# Altium PCB PCB1_done2.PcbDoc (part 1 of 3)
Units mil, origin at the board's own origin, x right, y up, seen from the top; angles counter-clockwise.
Board outline 3550 x 3775.2 mil, 8 copper layers (Top Layer, Top Signal Layer, Vbat-chrg, Internal Plane 1, GND-nBat, Internal Plane 2, Bottom Signal Layer, Bottom Layer), stack 71.302 mil thick; 235 components, 254 nets, 1011 pads, 192 vias.
Unrouted connection lines stored in the file: 5.
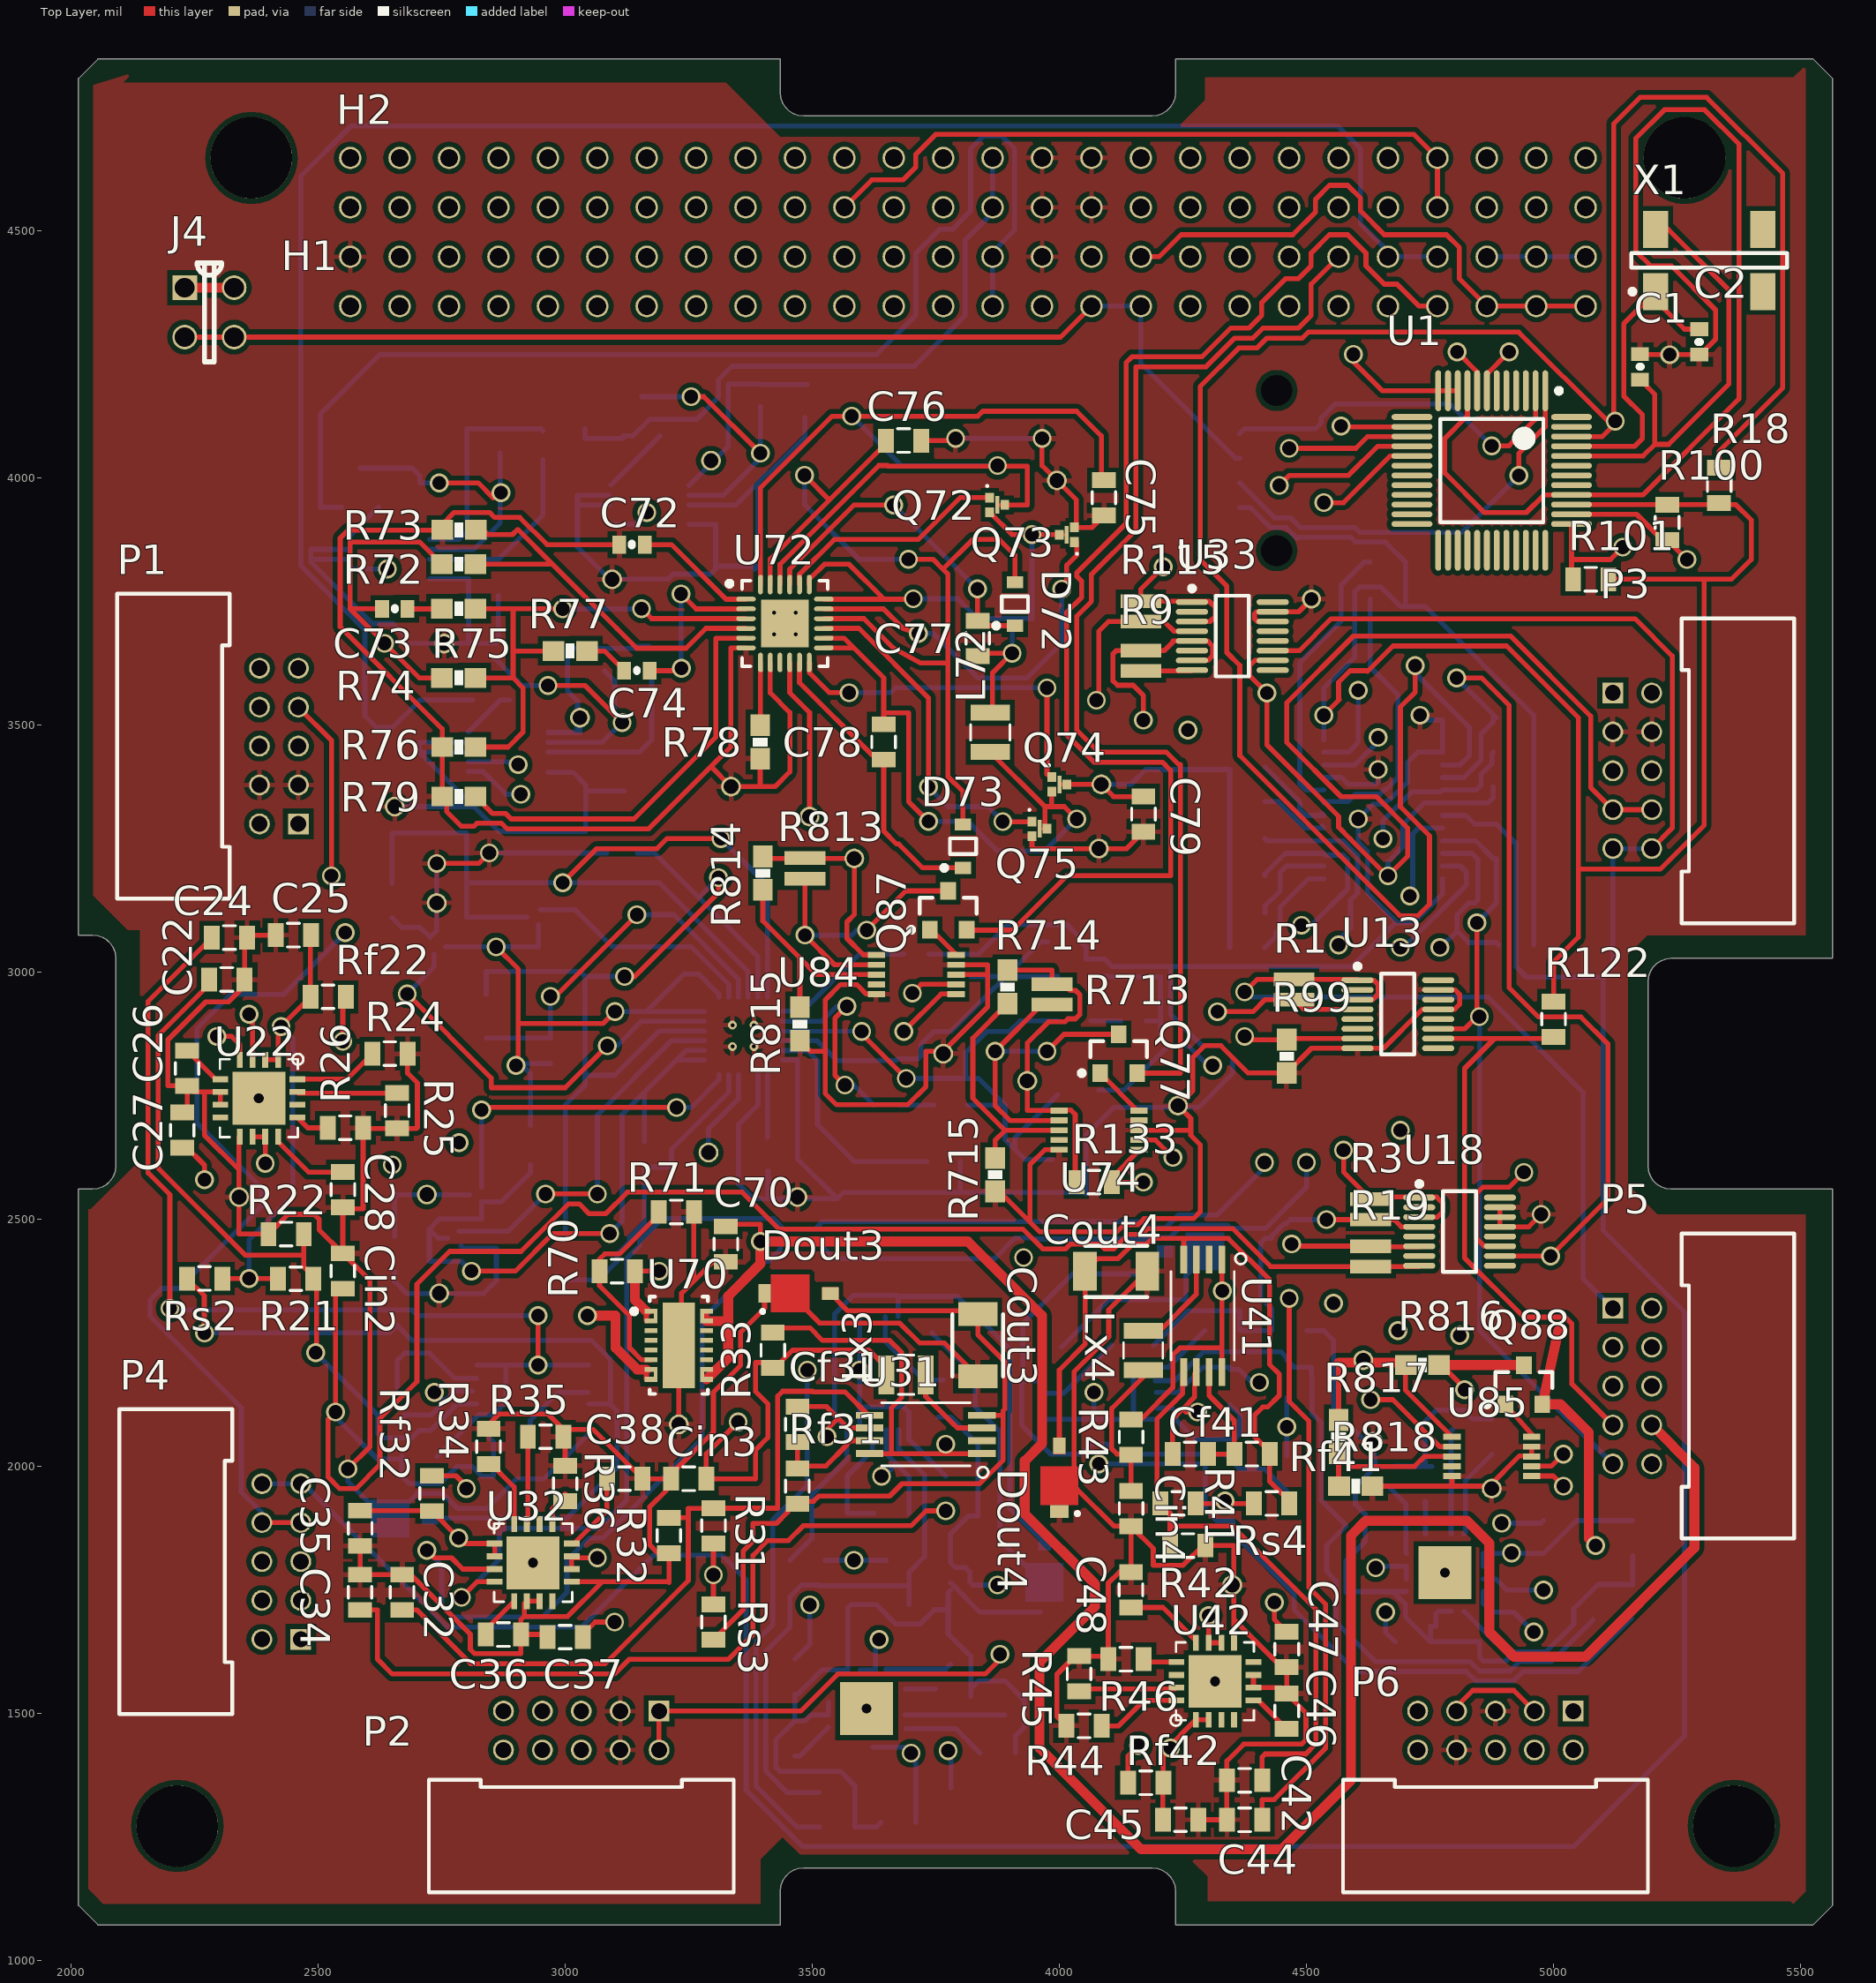
[diagram p0: Top Layer view]
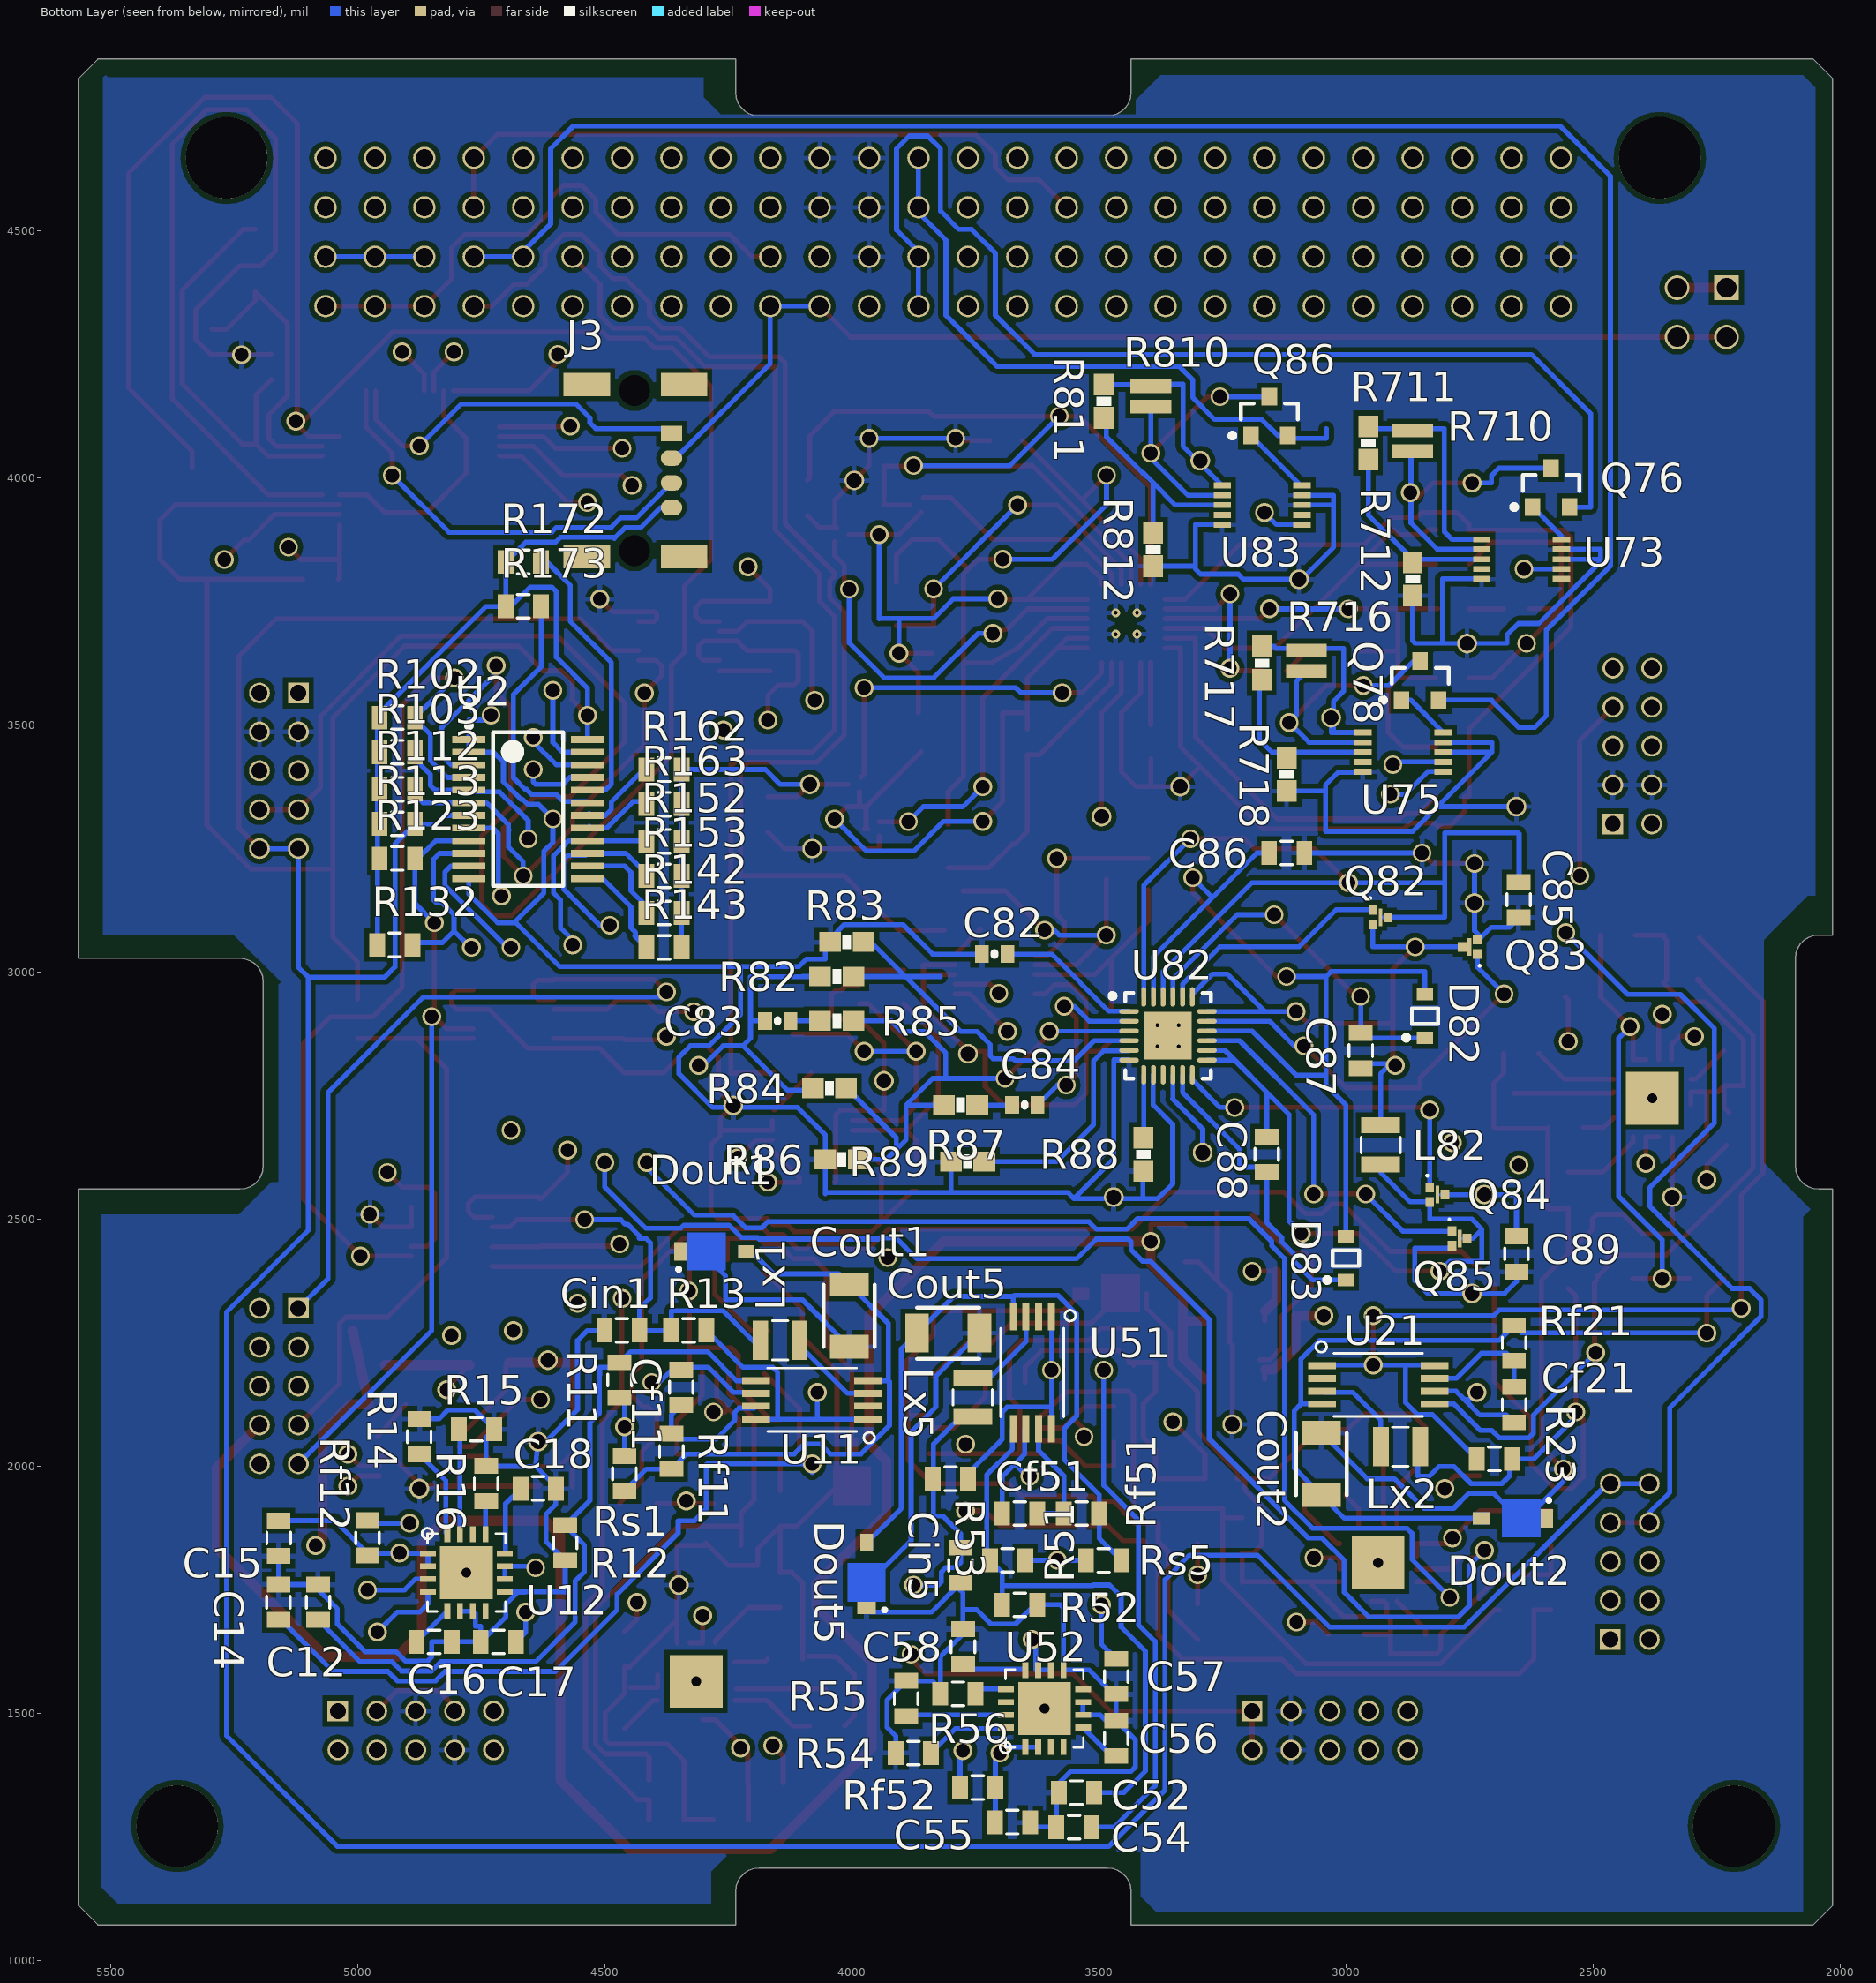
[diagram p1: Bottom Layer view, seen from below]
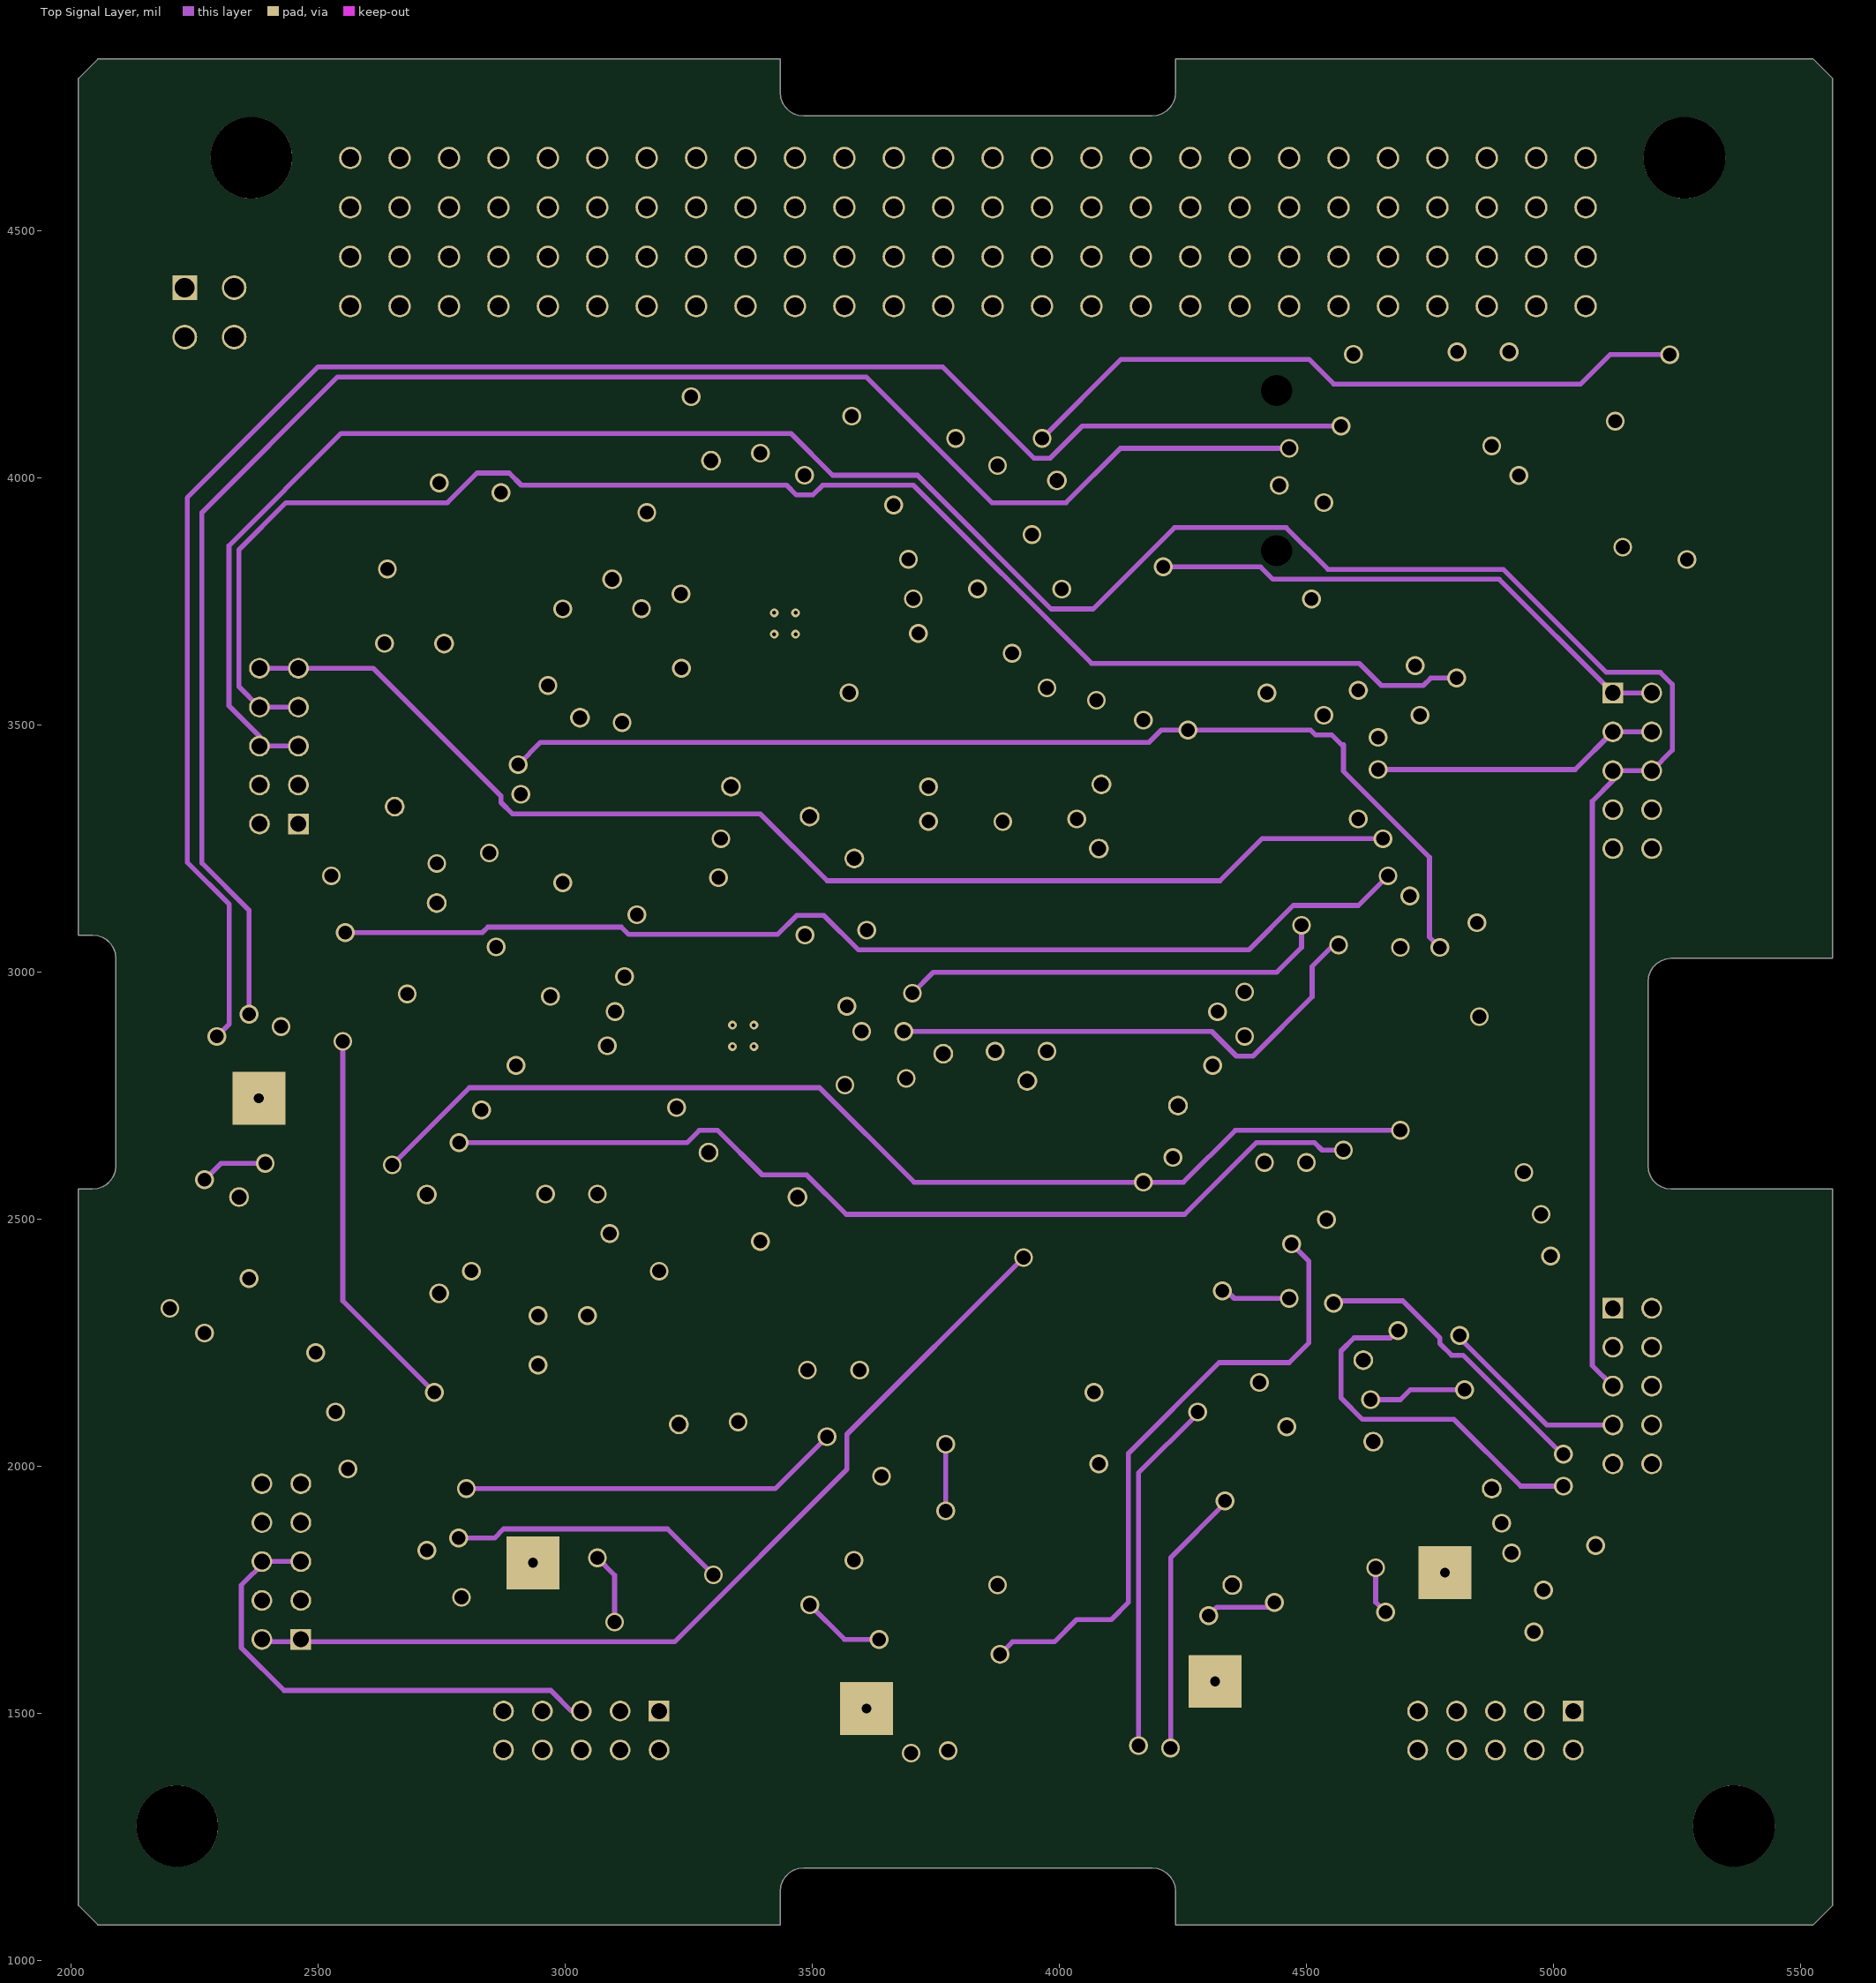
[diagram p2: Top Signal Layer]
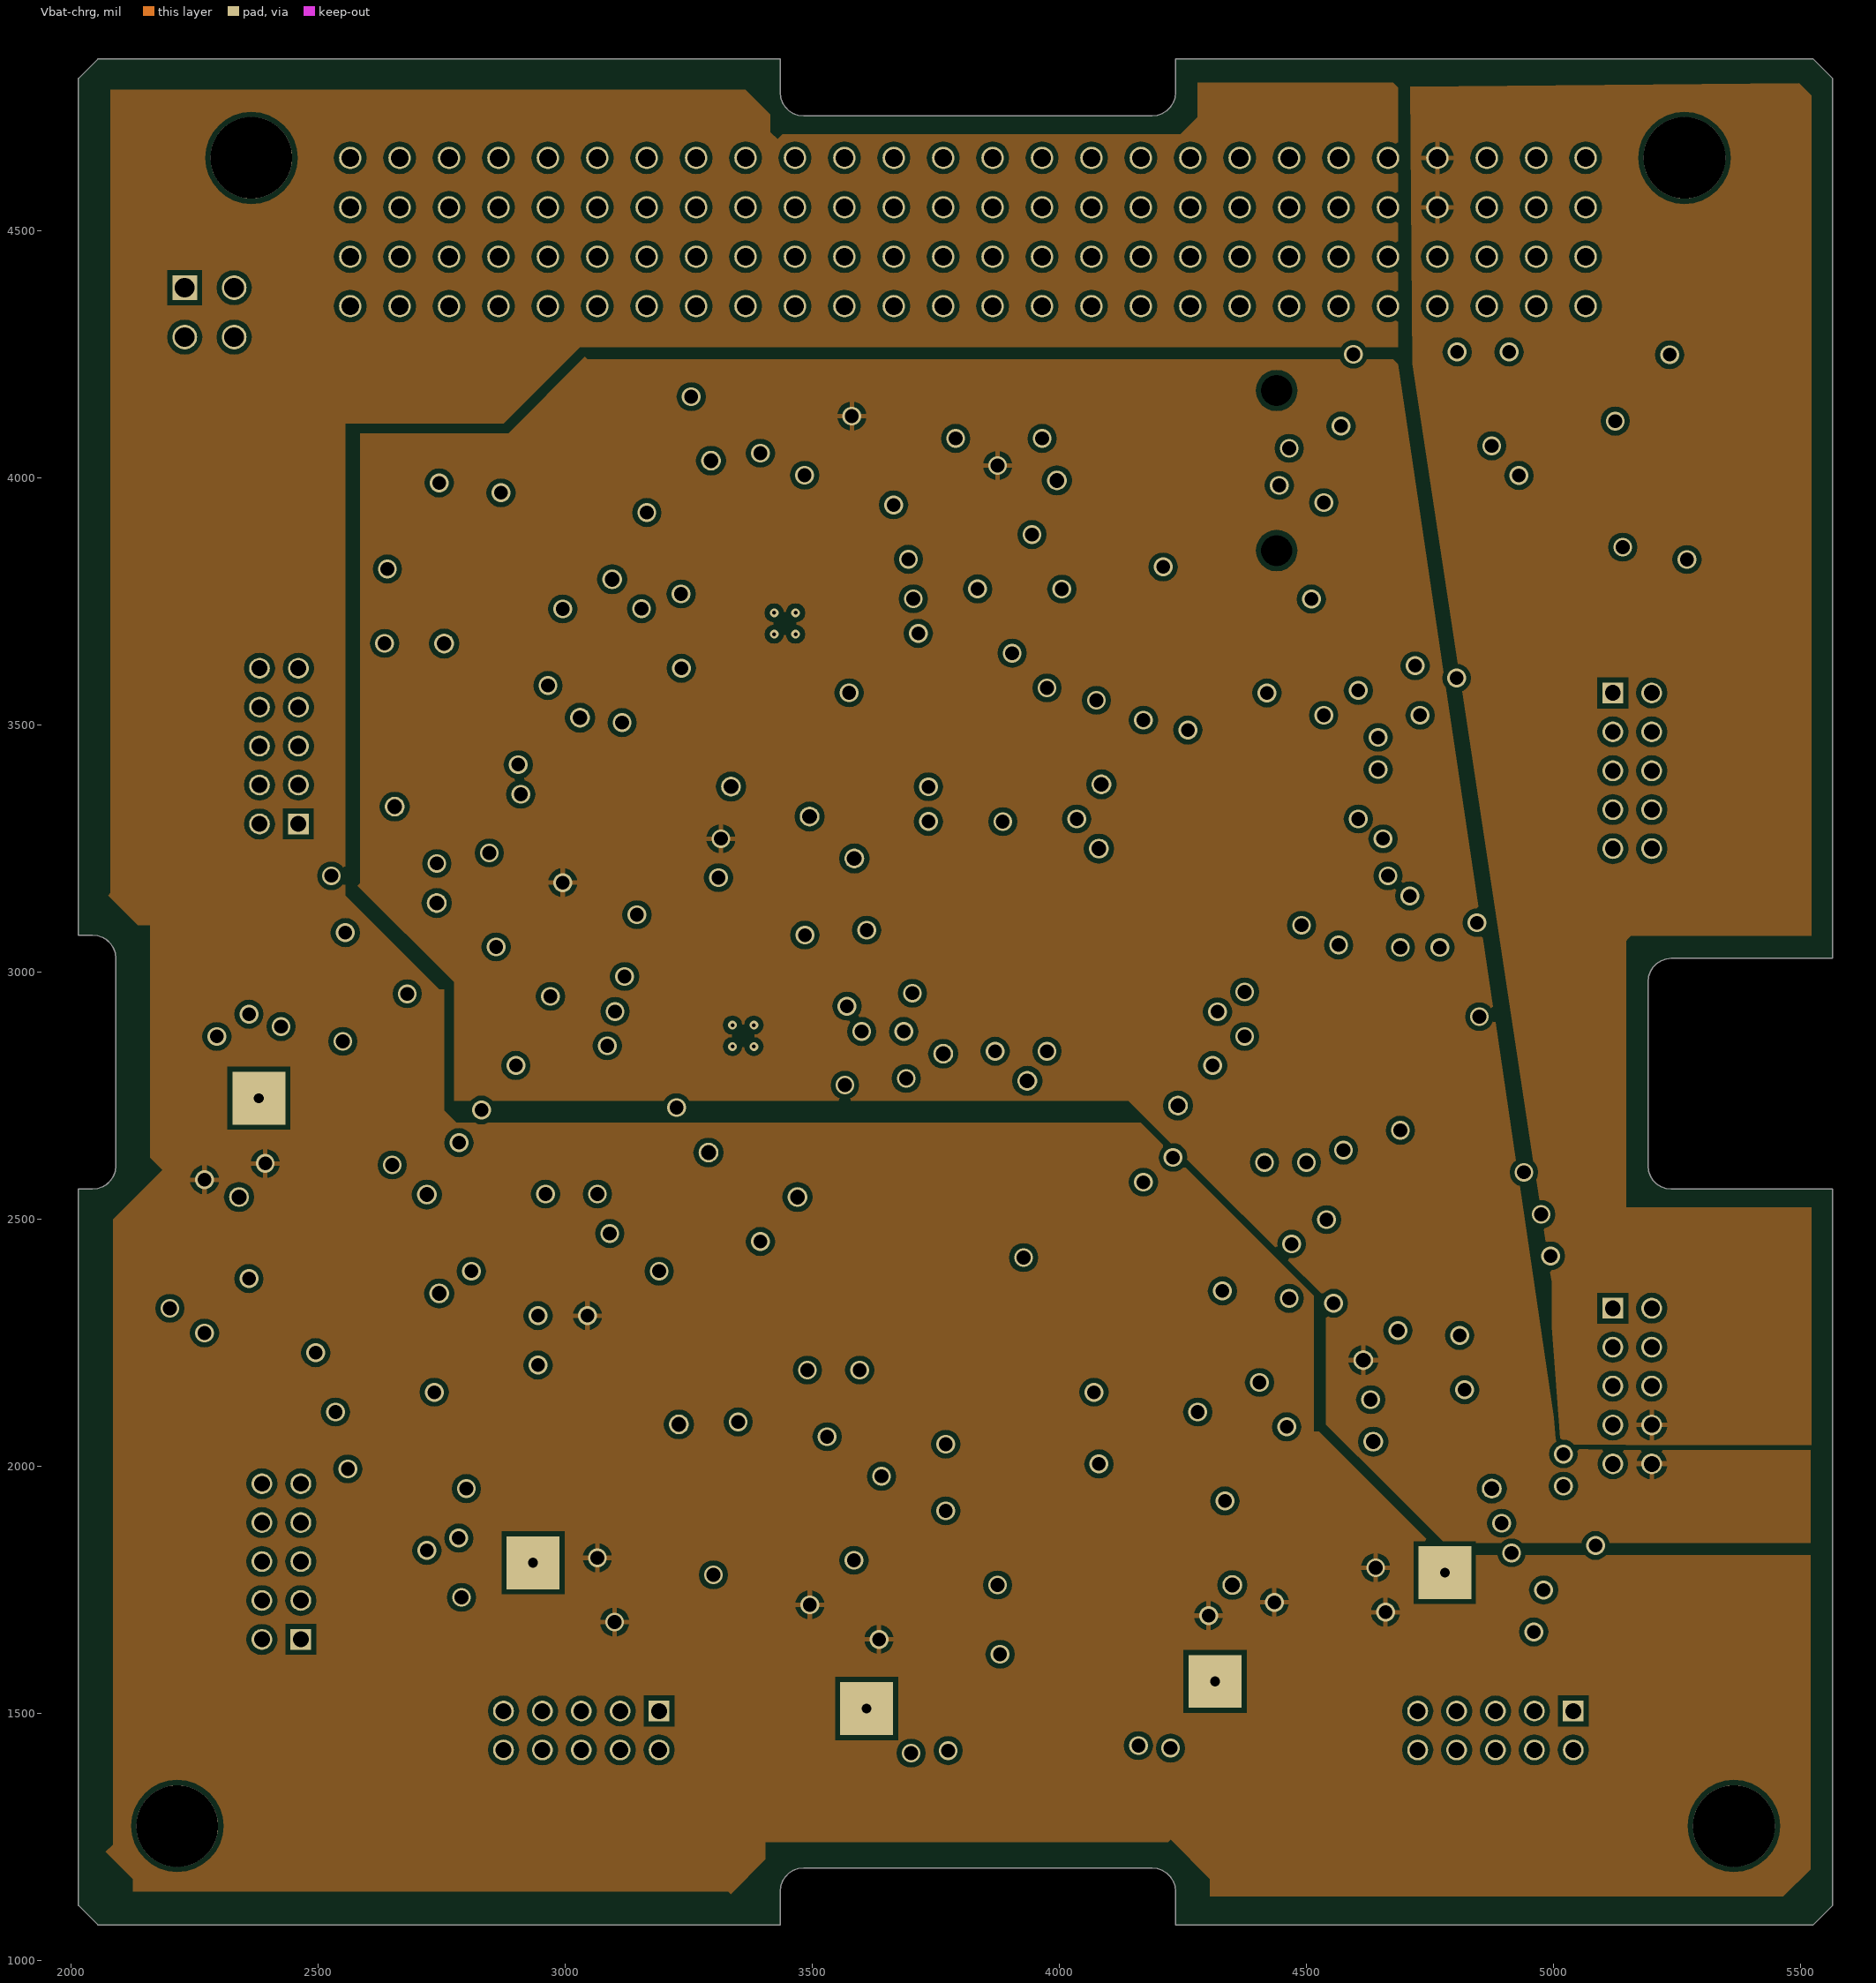
[diagram p3: Vbat-chrg]